# KiCad board P3.kicad_pcb
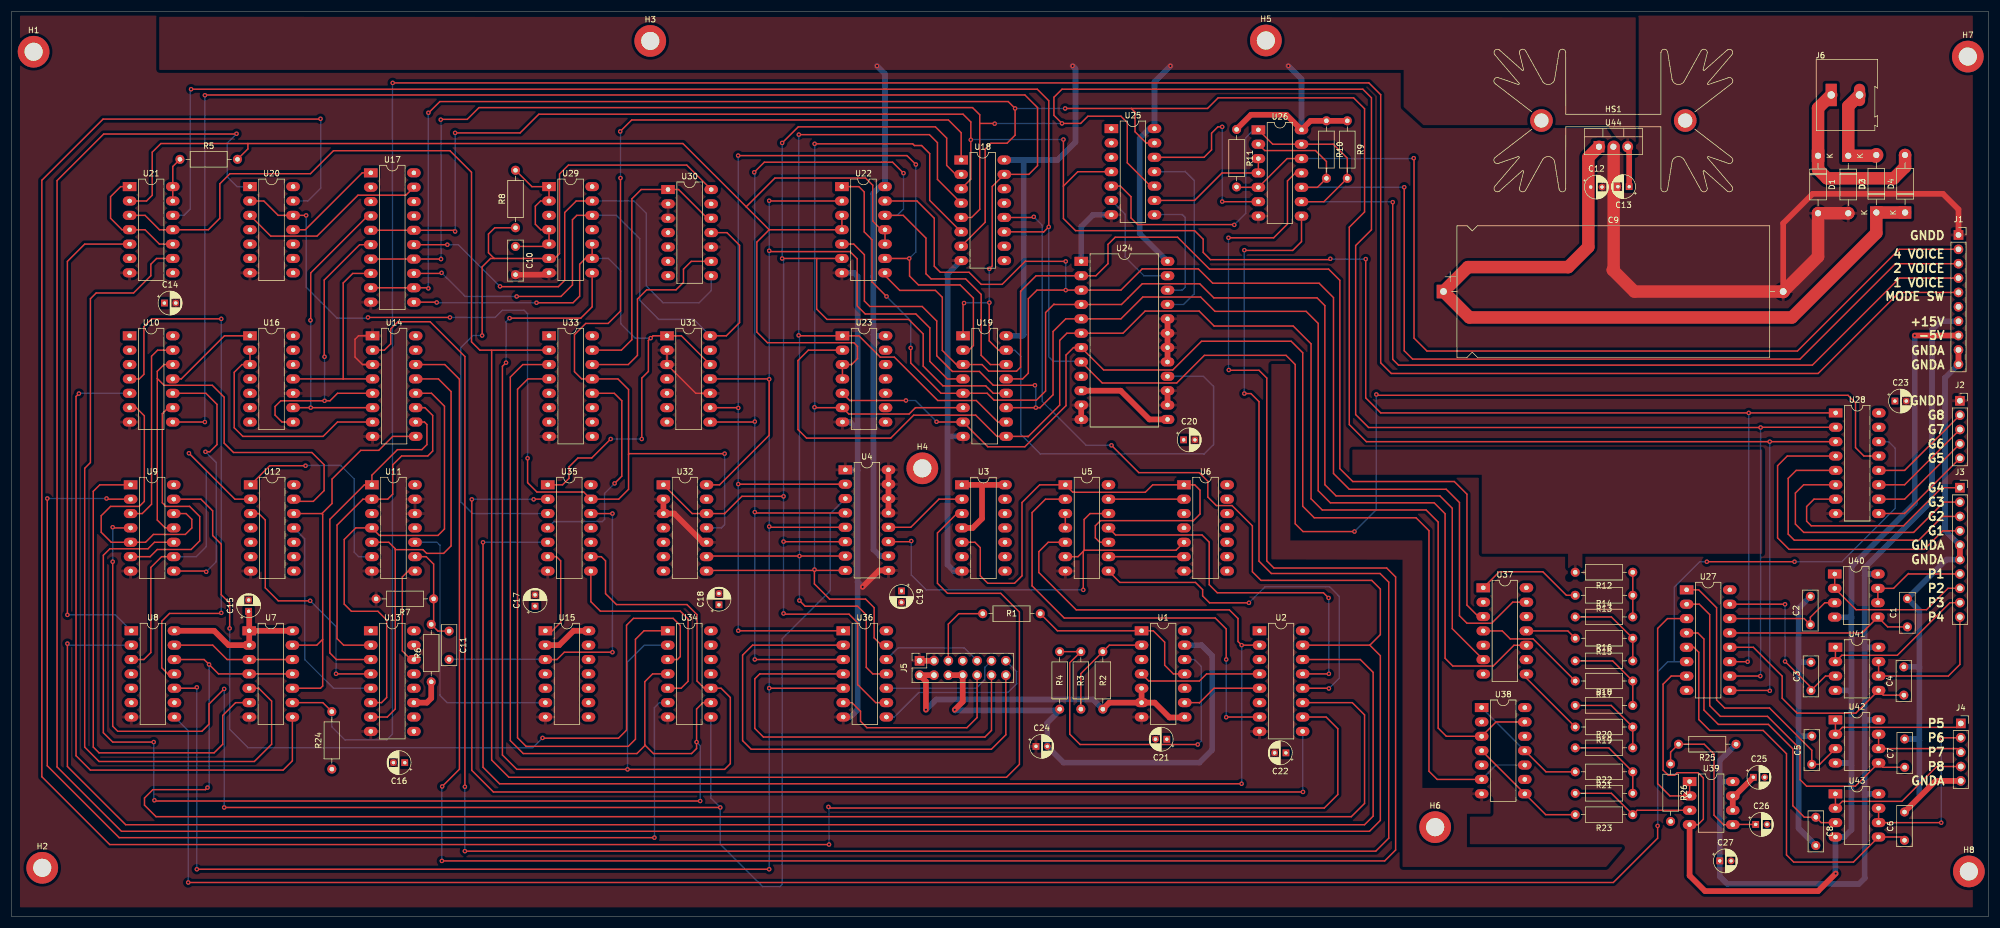
[diagram p0: board, top side]
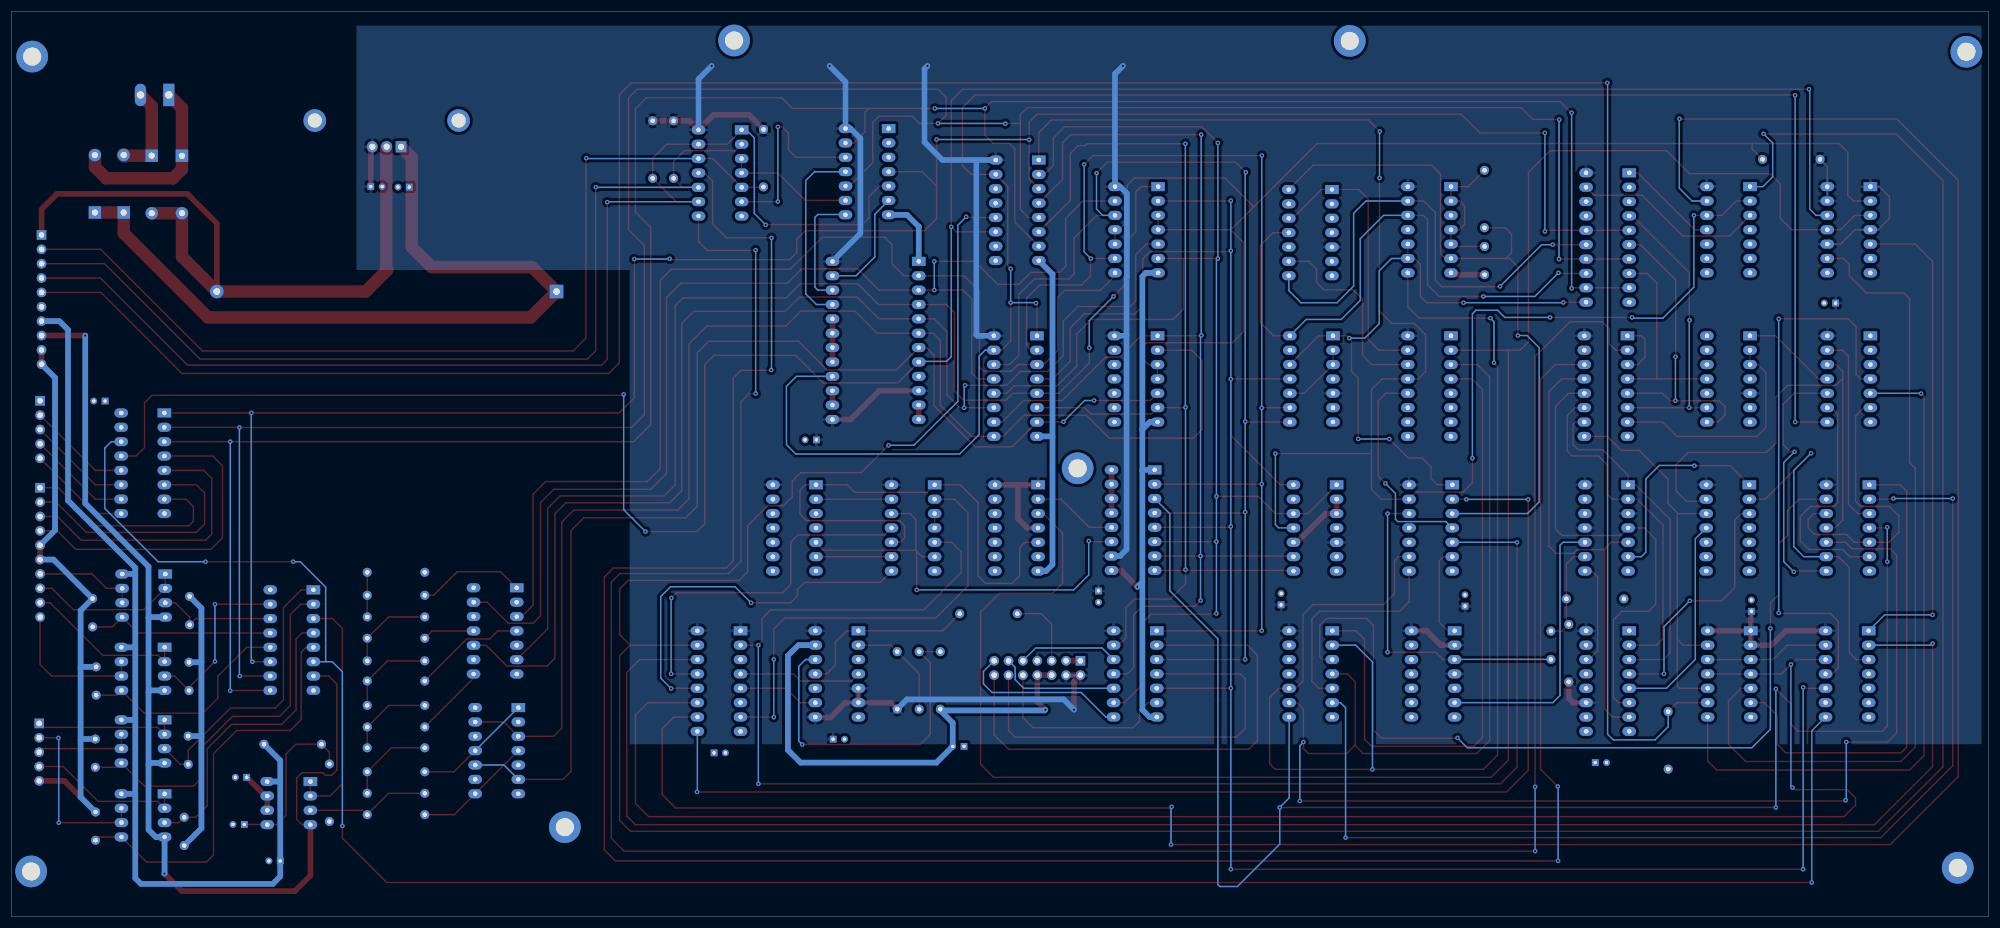
[diagram p1: board, bottom side, seen from below]

Outline 349.25 x 160.02 mm; copper layers: Top, Bottom. Coordinates in mm from the lower left corner of the outline.
Outline path: rectangle 0,160.02 349.25,0
Stack: Top 0.035mm / dielectric 1.51mm FR4 er 4.5 / Bottom 0.035mm

## Placement (name value [footprint] x y rotation side)
C1  47nF  [C_Disc_D7.0mm_W2.5mm_P5.00mm]  334.9 51.22 90 top
C2  47nF  [C_Disc_D7.0mm_W2.5mm_P5.00mm]  317.75 51.6 90 top
C3  47nF  [C_Disc_D7.0mm_W2.5mm_P5.00mm]  317.86 39.97 90 top
C4  47nF  [C_Disc_D7.0mm_W2.5mm_P5.00mm]  334.26 39.16 90 top
C5  47nF  [C_Disc_D7.0mm_W2.5mm_P5.00mm]  318.01 26.92 90 top
C6  47nF  [C_Disc_D7.0mm_W2.5mm_P5.00mm]  334.38 13.5 90 top
C7  47nF  [C_Disc_D7.0mm_W2.5mm_P5.00mm]  334.42 26.41 90 top
C8  47nF  [C_Disc_D7.0mm_W2.5mm_P5.00mm]  318.72 17.58 270 top
C9  4700uF  [CP_Axial_L55.0mm_D23.0mm_P60.00mm_Horizontal]  252.96 110.49 0 top
C10  1nF  [C_Disc_D7.0mm_W2.5mm_P5.00mm]  89.05 118.47 270 top
C11  22nF  [C_Disc_D7.0mm_W2.5mm_P5.00mm]  77.32 50.48 270 top
C12  10uF  [CP_Radial_D4.0mm_P2.00mm]  278.96 128.96 0 top
C13  10uF  [CP_Radial_D4.0mm_P2.00mm]  285.76 129.03 180 top
C14  10uF  [CP_Radial_D4.0mm_P2.00mm]  27.05 108.46 0 top
C15  10uF  [CP_Radial_D4.0mm_P2.00mm]  41.91 53.98 90 top
C16  10uF  [CP_Radial_D4.0mm_P2.00mm]  69.48 27.23 180 top
C17  10uF  [CP_Radial_D4.0mm_P2.00mm]  92.5 54.89 90 top
C18  10uF  [CP_Radial_D4.0mm_P2.00mm]  124.98 55.12 90 top
C19  10uF  [CP_Radial_D4.0mm_P2.00mm]  157.23 57.57 270 top
C20  10uF  [CP_Radial_D4.0mm_P2.00mm]  207.05 84.28 0 top
C21  10uF  [CP_Radial_D4.0mm_P2.00mm]  204.09 31.37 180 top
C22  10uF  [CP_Radial_D4.0mm_P2.00mm]  225.13 28.96 180 top
C23  10uF  [CP_Radial_D4.0mm_P2.00mm]  332.69 91.14 0 top
C24  10uF  [CP_Radial_D4.0mm_P2.00mm]  180.97 30.1 0 top
C25  10uF  [CP_Radial_D4.0mm_P2.00mm]  307.68 24.64 0 top
C26  10uF  [CP_Radial_D4.0mm_P2.00mm]  308.1 16.3 0 top
C27  10uF  [CP_Radial_D4.0mm_P2.00mm]  301.75 9.86 0 top
D1  1N4002  [D_DO-41_SOD81_P10.16mm_Horizontal]  319.12 134.49 270 top
D2  1N4002  [D_DO-41_SOD81_P10.16mm_Horizontal]  324.45 134.49 270 top
D3  1N4002  [D_DO-41_SOD81_P10.16mm_Horizontal]  329.4 124.46 90 top
D4  1N4002  [D_DO-41_SOD81_P10.16mm_Horizontal]  334.48 124.46 90 top
H1  MountingHole  [MountingHole_3.2mm_M3_DIN965_Pad]  3.94 152.87 0 top
H2  MountingHole  [MountingHole_3.2mm_M3_DIN965_Pad]  5.46 8.64 0 top
H3  MountingHole  [MountingHole_3.2mm_M3_DIN965_Pad]  112.85 154.79 0 top
H4  MountingHole  [MountingHole_3.2mm_M3_DIN965_Pad]  160.91 79.25 0 top
H5  MountingHole  [MountingHole_3.2mm_M3_DIN965_Pad]  221.59 154.86 0 top
H6  MountingHole  [MountingHole_3.2mm_M3_DIN965_Pad]  251.49 15.82 0 top
H7  MountingHole  [MountingHole_3.2mm_M3_DIN965_Pad]  345.57 152.02 0 top
H8  MountingHole  [MountingHole_3.2mm_M3_DIN965_Pad]  345.75 8 0 top
HS1  Heatsink  [Heatsink_Fischer_SK129-STS_42x25mm_2xDrill2.5mm]  282.96 140.72 0 top
J1  Conn_01x10  [PinSocket_1x10_P2.54mm_Vertical]  343.92 120.49 0 top
J2  Conn_01x05  [PinSocket_1x05_P2.54mm_Vertical]  344.17 91.19 0 top
J3  Conn_01x10  [PinSocket_1x10_P2.54mm_Vertical]  344.17 75.82 0 top
J4  Conn_01x05  [PinSocket_1x05_P2.54mm_Vertical]  344.33 34.16 0 top
J5  Conn_02x07_Counter_Clockwise  [PinSocket_2x07_P2.54mm_Vertical]  160.42 45.23 90 top
J6  Screw_Terminal_01x02  [TerminalBlock_Altech_AK300-2_P5.00mm]  321.44 145.24 0 top
R1  1k  [R_Axial_DIN0207_L6.3mm_D2.5mm_P10.16mm_Horizontal]  181.74 53.56 180 top
R2  2k7  [R_Axial_DIN0207_L6.3mm_D2.5mm_P10.16mm_Horizontal]  192.79 36.68 90 top
R3  2k7  [R_Axial_DIN0207_L6.3mm_D2.5mm_P10.16mm_Horizontal]  188.9 36.68 90 top
R4  2k7  [R_Axial_DIN0207_L6.3mm_D2.5mm_P10.16mm_Horizontal]  185.17 46.84 270 top
R5  2k7  [R_Axial_DIN0207_L6.3mm_D2.5mm_P10.16mm_Horizontal]  29.78 133.86 0 top
R6  1k  [R_Axial_DIN0207_L6.3mm_D2.5mm_P10.16mm_Horizontal]  74.17 41.5 90 top
R7  1k  [R_Axial_DIN0207_L6.3mm_D2.5mm_P10.16mm_Horizontal]  74.59 56.17 180 top
R8  1k  [R_Axial_DIN0207_L6.3mm_D2.5mm_P10.16mm_Horizontal]  89.05 121.77 90 top
R9  2k7  [R_Axial_DIN0207_L6.3mm_D2.5mm_P10.16mm_Horizontal]  235.97 140.67 270 top
R10  2k7  [R_Axial_DIN0207_L6.3mm_D2.5mm_P10.16mm_Horizontal]  232.28 140.67 270 top
R11  2k7  [R_Axial_DIN0207_L6.3mm_D2.5mm_P10.16mm_Horizontal]  216.41 139.14 270 top
R12  200k  [R_Axial_DIN0207_L6.3mm_D2.5mm_P10.16mm_Horizontal]  286.38 60.87 180 top
R13  200k  [R_Axial_DIN0207_L6.3mm_D2.5mm_P10.16mm_Horizontal]  286.38 56.8 180 top
R14  100k  [R_Axial_DIN0207_L6.3mm_D2.5mm_P10.16mm_Horizontal]  276.22 52.98 0 top
R15  200k  [R_Axial_DIN0207_L6.3mm_D2.5mm_P10.16mm_Horizontal]  286.38 49.21 180 top
R16  100k  [R_Axial_DIN0207_L6.3mm_D2.5mm_P10.16mm_Horizontal]  276.22 45.21 0 top
R17  200k  [R_Axial_DIN0207_L6.3mm_D2.5mm_P10.16mm_Horizontal]  286.38 41.66 180 top
R18  100k  [R_Axial_DIN0207_L6.3mm_D2.5mm_P10.16mm_Horizontal]  276.22 37.34 0 top
R19  200k  [R_Axial_DIN0207_L6.3mm_D2.5mm_P10.16mm_Horizontal]  286.38 33.53 180 top
R20  100k  [R_Axial_DIN0207_L6.3mm_D2.5mm_P10.16mm_Horizontal]  276.22 29.84 0 top
R21  200k  [R_Axial_DIN0207_L6.3mm_D2.5mm_P10.16mm_Horizontal]  286.38 25.6 180 top
R22  100k  [R_Axial_DIN0207_L6.3mm_D2.5mm_P10.16mm_Horizontal]  276.22 21.81 0 top
R23  200k  [R_Axial_DIN0207_L6.3mm_D2.5mm_P10.16mm_Horizontal]  286.38 18.03 180 top
R24  2k7  [R_Axial_DIN0207_L6.3mm_D2.5mm_P10.16mm_Horizontal]  56.61 26.08 90 top
R25  15k  [R_Axial_DIN0207_L6.3mm_D2.5mm_P10.16mm_Horizontal]  304.63 30.48 180 top
R26  8k2  [R_Axial_DIN0207_L6.3mm_D2.5mm_P10.16mm_Horizontal]  293.07 26.99 270 top
U1  SN75107B  [DIP-14_W7.62mm_LongPads]  199.63 50.53 0 top
U2  74LS175  [DIP-16_W7.62mm_LongPads]  220.46 50.53 0 top
U3  74LS74  [DIP-14_W7.62mm_LongPads]  167.89 76.33 0 top
U4  D2102  [DIP-16_W7.62mm_LongPads]  147.31 78.98 0 top
U5  74LS00  [DIP-14_W7.62mm_LongPads]  186.17 76.33 0 top
U6  74LS04  [DIP-14_W7.62mm_LongPads]  207.12 76.33 0 top
U7  74LS10  [DIP-14_W7.62mm_LongPads]  42.02 50.53 0 top
U8  74LS00  [DIP-14_W7.62mm_LongPads]  21.19 50.53 0 top
U9  74LS32  [DIP-14_W7.62mm_LongPads]  21.07 76.33 0 top
U10  74LS08  [DIP-14_W7.62mm_LongPads]  20.89 102.67 0 top
U11  7425  [DIP-14_W7.62mm_LongPads]  63.68 76.33 0 top
U12  74LS32  [DIP-14_W7.62mm_LongPads]  42.28 76.33 0 top
U13  74LS193  [DIP-16_W7.62mm_LongPads]  63.48 50.53 0 top
U14  74LS153  [DIP-16_W7.62mm_LongPads]  63.8 102.67 0 top
U15  74LS74  [DIP-14_W7.62mm_LongPads]  94.33 50.53 0 top
U16  74LS93  [DIP-14_W7.62mm_LongPads]  42.15 102.67 0 top
U17  74LS244  [DIP-20_W7.62mm_LongPads]  63.48 131.47 0 top
U18  74LS367  [DIP-16_W7.62mm_LongPads]  167.77 133.74 0 top
U19  74LS367  [DIP-16_W7.62mm_LongPads]  168.1 102.67 0 top
U20  74LS32  [DIP-14_W7.62mm_LongPads]  42.15 129.04 0 top
U21  74LS74  [DIP-14_W7.62mm_LongPads]  20.89 129.04 0 top
U22  74LS266  [DIP-14_W7.62mm_LongPads]  146.7 129.04 0 top
U23  74LS266  [DIP-14_W7.62mm_LongPads]  146.8 102.67 0 top
U24  6810-Memory_RAM-eti-polysynth  [DIP-24_W15.24mm_LongPads]  188.98 115.82 0 top
U25  74LS08  [DIP-14_W7.62mm_LongPads]  194.29 139.29 0 top
U26  74LS08  [DIP-14_W7.62mm_LongPads]  220.26 139.07 0 top
U27  CD4051B  [DIP-16_W7.62mm_LongPads]  295.89 57.77 0 top
U28  74LS259  [DIP-16_W7.62mm_LongPads]  322.22 89.04 0 top
U29  74LS13  [DIP-14_W7.62mm_LongPads]  94.97 129.04 0 top
U30  74LS93  [DIP-14_W7.62mm_LongPads]  115.99 128.52 0 top
U31  74LS93  [DIP-14_W7.62mm_LongPads]  115.81 102.67 0 top
U32  74LS93  [DIP-14_W7.62mm_LongPads]  115.17 76.33 0 top
U33  74LS42  [DIP-16_W7.62mm_LongPads]  94.98 102.67 0 top
U34  74LS32  [DIP-14_W7.62mm_LongPads]  115.94 50.53 0 top
U35  74LS04  [DIP-14_W7.62mm_LongPads]  94.74 76.33 0 top
U36  7404  [DIP-14_W7.62mm_LongPads]  146.94 50.53 0 top
U37  4041  [DIP-14_W7.62mm_LongPads]  259.98 58.13 0 top
U38  4041  [DIP-14_W7.62mm_LongPads]  259.7 36.96 0 top
U39  TL072  [DIP-8_W7.62mm_LongPads]  296.43 23.88 0 top
U40  TL082  [DIP-8_W7.62mm_LongPads]  322.06 60.57 0 top
U41  TL082  [DIP-8_W7.62mm_LongPads]  322.18 47.62 0 top
U42  TL082  [DIP-8_W7.62mm_LongPads]  322.18 34.79 0 top
U43  TL082  [DIP-8_W7.62mm_LongPads]  322.18 21.71 0 top
U44  L7805  [TO-220-3_Vertical]  280.42 136.08 0 top

## Library data of the parts
C1-C8 C10 C11 = -: Description: Unpolarized capacitor, small symbol
D1-D4 = -: Description: 100V 1A General Purpose Rectifier Diode, DO-41
H1-H8 = -: Description: Mounting Hole without connection
J1 J3 = -: Description: Generic connector, single row, 01x10, script generated (kicad-library-utils/schlib/autogen/connector/)
J2 J4 = -: Description: Generic connector, single row, 01x05, script generated (kicad-library-utils/schlib/autogen/connector/)
J5 = -: Description: Generic connector, double row, 02x07, odd/even pin numbering scheme (row 1 odd numbers, row 2 even numbers), script generated (kicad-library-utils/schlib/autogen/connector/)
J6 = -: Description: Generic screw terminal, single row, 01x02, script generated (kicad-library-utils/schlib/autogen/connector/)
R1-R26 = -: Description: Resistor
U2 = -: Description: 4-bit D Flip-Flop, reset
U3 U15 U21 = -: Description: Dual D Flip-flop, Set & Reset
U5 U8 = -: Description: quad 2-input NAND gate
U6 U35 = -: Description: Hex Inverter
U7 = -: Description: Triple 3-input NAND
U9 U12 U20 U34 = -: Description: Quad 2-input OR
U10 U25 U26 = -: Description: Quad And2
U13 = -: Description: Synchronous 4-bit Up/Down (2 clk) counter
U14 = -: Description: Dual Multiplexer 4 to 1
U16 U30-U32 = -: Description: Divide by 2 & 8 counter
U17 = -: Description: Octal Buffer and Line Driver With 3-State Output, active-low enables, non-inverting outputs
U18 U19 = -: Description: Hex Bus Driver 3-state outputs
U27 = -: Description: CMOS single 8-channel analog multiplexer demultiplexer, TSSOP-16/DIP-16/SOIC-16
U28 = -: Description: 8-bit addressable latch
U29 = -: Description: Dual 4-input NAND Schmitt trigger
U33 = -: Description: 4 to 10 line Decoder
U39 = -: Description: Dual Low-Noise JFET-Input Operational Amplifiers, DIP-8/SOIC-8
U40-U43 = -: Description: Dual JFET-Input Operational Amplifiers, DIP-8/SOIC-8/SSOP-8
U44 = -: Description: Positive 1.5A 35V Linear Regulator, Fixed Output 5V, TO-220/TO-263/TO-252

## Footprints (pads in the part's own frame, mm; a bottom-side part is the same pattern mirrored in y, then rotated)
C_Disc_D7.0mm_W2.5mm_P5.00mm
  round 1.6 hole 0.8: 1(0,0) 2(5,0)
CP_Axial_L55.0mm_D23.0mm_P60.00mm_Horizontal
  rect 2.4x2.4 hole 1.2: 1(0,0)
  oval 2.4x2.4 hole 1.2: 2(60,0)
CP_Radial_D4.0mm_P2.00mm
  rect 1.2x1.2 hole 0.6: 1(0,0)
  round 1.2 hole 0.6: 2(2,0)
D_DO-41_SOD81_P10.16mm_Horizontal
  rect 2.2x2.2 hole 1.1: 1(0,0)
  oval 2.2x2.2 hole 1.1: 2(10.16,0)
DIP-8_W7.62mm_LongPads
  rect 2.4x1.6 hole 0.8: 1(0,0)
  oval 2.4x1.6 hole 0.8: 2(0,-2.54) 3(0,-5.08) 4(0,-7.62) 5(7.62,-7.62) 6(7.62,-5.08) 7(7.62,-2.54) 8(7.62,0)
DIP-14_W7.62mm_LongPads
  rect 2.4x1.6 hole 0.8: 1(0,0)
  oval 2.4x1.6 hole 0.8: 2(0,-2.54) 3(0,-5.08) 4(0,-7.62) 5(0,-10.16) 6(0,-12.7) 7(0,-15.24) 8(7.62,-15.24) 9(7.62,-12.7) 10(7.62,-10.16) 11(7.62,-7.62) 12(7.62,-5.08) 13(7.62,-2.54) 14(7.62,0)
DIP-16_W7.62mm_LongPads
  rect 2.4x1.6 hole 0.8: 1(0,0)
  oval 2.4x1.6 hole 0.8: 2(0,-2.54) 3(0,-5.08) 4(0,-7.62) 5(0,-10.16) 6(0,-12.7) 7(0,-15.24) 8(0,-17.78) 9(7.62,-17.78) 10(7.62,-15.24) 11(7.62,-12.7) 12(7.62,-10.16) 13(7.62,-7.62) 14(7.62,-5.08) 15(7.62,-2.54) 16(7.62,0)
DIP-20_W7.62mm_LongPads
  rect 2.4x1.6 hole 0.8: 1(0,0)
  oval 2.4x1.6 hole 0.8: 2(0,-2.54) 3(0,-5.08) 4(0,-7.62) 5(0,-10.16) 6(0,-12.7) 7(0,-15.24) 8(0,-17.78) 9(0,-20.32) 10(0,-22.86) 11(7.62,-22.86) 12(7.62,-20.32) 13(7.62,-17.78) 14(7.62,-15.24) 15(7.62,-12.7) 16(7.62,-10.16) 17(7.62,-7.62) 18(7.62,-5.08) 19(7.62,-2.54) 20(7.62,0)
DIP-24_W15.24mm_LongPads
  rect 2.4x1.6 hole 0.8: 1(0,0)
  oval 2.4x1.6 hole 0.8: 2(0,-2.54) 3(0,-5.08) 4(0,-7.62) 5(0,-10.16) 6(0,-12.7) 7(0,-15.24) 8(0,-17.78) 9(0,-20.32) 10(0,-22.86) 11(0,-25.4) 12(0,-27.94) 13(15.24,-27.94) 14(15.24,-25.4) 15(15.24,-22.86) 16(15.24,-20.32) 17(15.24,-17.78) 18(15.24,-15.24) 19(15.24,-12.7) 20(15.24,-10.16) 21(15.24,-7.62) 22(15.24,-5.08) 23(15.24,-2.54) 24(15.24,0)
Heatsink_Fischer_SK129-STS_42x25mm_2xDrill2.5mm
  round 4 hole 2.5: 1(-12.7,0) 1(12.7,0)
MountingHole_3.2mm_M3_DIN965_Pad
  round 5.6 hole 3.2: 1(0,0)
PinSocket_1x05_P2.54mm_Vertical
  rect 1.7x1.7 hole 1: 1(0,0)
  oval 1.7x1.7 hole 1: 2(0,-2.54) 3(0,-5.08) 4(0,-7.62) 5(0,-10.16)
PinSocket_1x10_P2.54mm_Vertical
  rect 1.7x1.7 hole 1: 1(0,0)
  oval 1.7x1.7 hole 1: 2(0,-2.54) 3(0,-5.08) 4(0,-7.62) 5(0,-10.16) 6(0,-12.7) 7(0,-15.24) 8(0,-17.78) 9(0,-20.32) 10(0,-22.86)
PinSocket_2x07_P2.54mm_Vertical
  rect 1.7x1.7 hole 1: 1(0,0)
  oval 1.7x1.7 hole 1: 2(-2.54,0) 3(0,-2.54) 4(-2.54,-2.54) 5(0,-5.08) 6(-2.54,-5.08) 7(0,-7.62) 8(-2.54,-7.62) 9(0,-10.16) 10(-2.54,-10.16) 11(0,-12.7) 12(-2.54,-12.7) 13(0,-15.24) 14(-2.54,-15.24)
R_Axial_DIN0207_L6.3mm_D2.5mm_P10.16mm_Horizontal
  round 1.6 hole 0.8: 1(0,0)
  oval 1.6x1.6 hole 0.8: 2(10.16,0)
TerminalBlock_Altech_AK300-2_P5.00mm
  rect 1.98x3.96 hole 1.32: 1(0,0)
  oval 1.98x3.96 hole 1.32: 2(5,0)
TO-220-3_Vertical
  rect 1.905x2 hole 1.1: 1(0,0)
  oval 1.905x2 hole 1.1: 2(2.54,0) 3(5.08,0)

## Nets
+3.3VDAC: C25.1 U27.16 U37.14 U38.14 U39.6 U39.7
+5V: C13.1 C14.1 C15.1 C16.1 C17.1 C18.1 C19.1 C20.1 C21.1 C22.1 C23.1 J5.2 J5.4 J5.7 R2.1 R5.1 R6.1 R9.1 R10.1 R11.1 R24.1 U1.5 U1.6 U1.8 U1.14 U2.1 U2.16 U3.1 U3.4 U3.14 U4.10 U5.14 U6.14 U7.1 U7.2 U7.14 U8.14 U9.14 U10.14 U11.3 U11.11 U11.14 U12.14 U13.11 U13.16 U14.16 U15.2 U15.4 U15.14 U16.5 U17.20 U18.16 U19.16 U20.14 U21.1 U21.4 U21.10 U21.13 U21.14 U22.14 U23.14 U24.10 U24.13 U24.24 U25.14 U26.14 U28.15 U28.16 U29.14 U30.5 U31.5 U32.5 U33.16 U34.14 U35.14 U36.14 U44.3
+15V: C27.1 J1.7 R25.1 U39.8 U40.8 U41.8 U42.8 U43.8
-5V: C24.2 J1.8 J5.6 J5.8 R4.2 U1.13 U27.7 U39.4 U40.4 U41.4 U42.4 U43.4
GND: C9.2 C10.2 C12.2 C13.2 C14.2 C15.2 C16.2 C17.2 C18.2 C19.2 C20.2 C21.2 C22.2 C23.2 C24.1 D1.2 D2.2 J1.1 J2.1 J5.1 J5.3 R7.2 U1.7 U2.8 U3.7 U4.1 U4.9 U4.13 U4.14 U4.15 U4.16 U5.7 U6.7 U7.7 U8.7 U9.7 U10.7 U11.7 U11.12 U11.13 U12.7 U13.8 U14.1 U14.3 U14.8 U15.7 U16.10 U17.10 U18.8 U19.8 U20.7 U21.7 U22.7 U23.7 U24.1 U24.11 U24.12 U24.14 U24.15 U24.17 U24.18 U24.19 U24.20 U25.7 U26.7 U28.8 U29.7 U30.2 U30.3 U30.10 U31.2 U31.3 U31.10 U32.2 U32.3 U32.10 U33.8 U34.7 U35.7 U36.7 U44.2
GNDA: C1.2 C2.2 C3.2 C4.2 C5.2 C6.2 C7.2 C8.2 C25.2 C26.2 C27.2 J1.9 J1.10 J3.5 J3.6 J4.5 R12.2 R26.2 U27.8 U37.7 U38.7
/1_VOICE: J1.4 R9.2 U25.5 U26.1 U26.9 U26.13
/2_VOICE: J1.3 R10.2 U26.2 U26.10
/4_VOICE: J1.2 R11.2 U26.5 U26.12
/A0: U4.2 U19.2 U22.9 U31.9 U36.1
/A1: U4.4 U19.14 U22.12 U31.8 U36.3
/A2: U4.5 U8.10 U19.4 U22.2 U31.11 U32.14 U36.5
/A3: U4.6 U18.2 U19.12 U22.6 U32.1 U32.12 U36.9
/A4: U4.7 U18.4 U19.10 U23.1 U32.9 U36.11
/A5: U4.8 U18.6 U19.6 U23.6 U32.8 U36.13
/CK0: R8.1 U29.6 U30.14 U35.3
/CK1: U30.1 U30.12 U33.15
/CK2: U30.9 U33.14
/CLC: U2.14 U8.2
/D0: U19.3 U22.8 U24.2 U37.3
/D1: U19.13 U22.13 U24.3 U37.13
/D2: U19.5 U22.1 U24.4 U37.6
/D3: U19.11 U22.5 U24.5 U37.10
/D4: U19.9 U23.2 U24.6 U38.3 U38.13
/D5: U19.7 U23.5 U24.7 U38.6 U38.10
/F0: U17.15 U29.13 U30.8
/F1: U17.13 U29.12 U30.11 U31.14
/F2: U17.11 U29.9 U29.10 U31.1 U31.12 U35.1
/FROM_KEYBOARD: J5.5 R1.2
/G1: J3.4 U28.4
/G2: J3.3 U28.5
/G3: J3.2 U28.6
/G4: J3.1 U28.7
/G5: J2.5 U28.9
/G6: J2.4 U28.10
/G7: J2.3 U28.11
/G8: J2.2 U28.12
/IC2-D2: U2.12 U5.8
/IC2-D3: U2.13 U5.11
/IC2_11: U2.11 U7.4 U7.11 U8.12
/IC14_4: U14.4 U16.11 U17.8
/IC14_5: U14.5 U16.8 U17.6
/IC14_6: U14.6 U16.9 U17.4
/IC14_7: U14.7 U16.2 U16.3
/IC18_3: U17.5 U17.16 U18.3 U25.4 U27.11 U28.1
/IC18_5: U17.7 U17.14 U18.5 U25.10 U27.10 U28.2
/IC18_7: U17.9 U17.12 U18.7 U25.13 U27.9 U28.3
/K0: J5.14 U36.2
/K1: J5.12 U36.4
/K2: J5.10 U36.6
/K3: J5.13 U36.8
/K4: J5.11 U36.10
/K5: J5.9 U36.12
/M: U8.9 U18.1 U20.2 U20.12 U32.11 U33.13 U35.13
/MODE_SWITCH: J1.5 R24.2 U7.9
/P1: J3.7 U40.6 U40.7
/P2: J3.8 U40.1 U40.2
/P3: J3.9 U41.1 U41.2
/P4: J3.10 U41.6 U41.7
/P5: J4.1 U42.1 U42.2
/P6: J4.2 U43.6 U43.7
/P7: J4.3 U42.6 U42.7
/P8: J4.4 U43.1 U43.2
/R~{W}: U4.3 U9.4 U34.8
/SL1: U14.2 U26.8
/SL2: U14.14 U26.11
/U17_0EA: U17.1 U20.11
/U17_0EB: U17.19 U20.3
/~{ANC}: U2.10 U20.13
/~{CLC}: U2.15 U18.12 U20.1
/~{CP1}: U3.3 U21.3 U21.11 U33.2
/~{CP2}: U9.10 U33.3 U34.4 U34.9
/~{CP3}: U9.2 U34.6
/~{F2}: U2.9 U35.2
/~{KD}: U2.7 U5.2
/~{KU}: U2.2 U5.5 U35.5
/~{M}: C11.2 U15.3 U35.12
/~{TGU}: U9.11 U10.12 U12.13
/~{UC}: U9.13 U34.3
Net-(#FLG0106-pwr): C9.1 C12.1 D3.1 D4.1 U44.1
Net-(C10-Pad1): C10.1 R8.2 U29.1 U29.2 U29.4 U29.5
Net-(C11-Pad1): C11.1 R6.2 R7.1 U11.9
Net-(D1-K): D1.1 D4.2 J6.1
Net-(D2-K): D2.1 D3.2 J6.2
Net-(R12-Pad1): R12.1 R13.1 R14.2
Net-(R13-Pad2): R13.2 U37.1
Net-(R14-Pad1): R14.1 R15.1 R16.2
Net-(R15-Pad2): R15.2 U37.11
Net-(R16-Pad1): R16.1 R17.1 R18.2
Net-(R17-Pad2): R17.2 U37.4
Net-(R18-Pad1): R18.1 R19.1 R20.2
Net-(R19-Pad2): R19.2 U37.8
Net-(R20-Pad1): R20.1 R21.1 R22.2
Net-(R21-Pad2): R21.2 U38.1 U38.11
Net-(R23-Pad2): R23.2 U38.4 U38.8
Net-(U1A-+): R1.1 U1.1 U1.11
Net-(U1A--): R2.2 R3.1 U1.2
Net-(U1B-+): R3.2 R4.1 U1.12
Net-(U2-D0): U1.4 U2.4
Net-(U2-D1): U1.9 U2.5
Net-(U3A-D): U3.2 U4.12
Net-(U3A-Q): U3.5 U5.1 U5.10 U6.1
Net-(U4-Data_In): U4.11 U5.6 U5.12 U6.5
Net-(U5-Pad3): U5.3 U5.4
Net-(U5-Pad9): U5.9 U6.6
Net-(U5-Pad13): U5.13 U6.2
Net-(U7-Pad6): U7.6 U9.1
Net-(U7-Pad12): U7.3 U7.12 U8.13
Net-(U10-Pad4): U8.11 U10.4
Net-(U10-Pad5): U7.8 U10.5
Net-(U10-Pad6): U9.5 U9.12 U10.6
Net-(U10-Pad9): U9.6 U10.9
Net-(U10-Pad10): U9.8 U10.10
Net-(U10-Pad13): U9.3 U10.13
Net-(U11-Pad6): U11.6 U12.1
Net-(U12-Pad2): U8.3 U9.9 U12.2
Net-(U13-CLR): U11.8 U13.14
Net-(U13-DOWN): U12.3 U13.4
Net-(U13-QA): U11.1 U13.3 U14.10
Net-(U13-QB): U11.2 U13.2 U14.11
Net-(U13-QC): U11.4 U13.6 U14.12
Net-(U13-QD): U11.5 U13.7 U14.13
Net-(U13-UP): U12.11 U13.5
Net-(U14-Zb): U7.10 U7.13 U12.12 U14.9
Net-(U15A-~{Q}): U11.10 U15.6
Net-(U15A-~{R}): U15.1 U35.6
Net-(U16-CP1..3): U10.11 U16.1
Net-(U18-O5b): U18.11 U21.12 U24.8 U28.13
Net-(U18-OEb): U10.8 U18.15 U19.1 U19.15 U24.16
Net-(U21A-D): R5.2 U21.2 U22.3 U22.4 U22.10 U22.11 U23.3 U23.4
Net-(U21A-Q): U8.1 U21.5
Net-(U21B-Q): U7.5 U21.9
Net-(U24-A0): U24.23 U25.6
Net-(U24-A1): U24.22 U25.8
Net-(U24-A2): U24.21 U25.11
Net-(U25-Pad9): U25.9 U26.3 U26.4
Net-(U25-Pad12): U25.12 U26.6
Net-(U27-INH): U8.8 U27.6 U28.14
Net-(U27-X0): C1.1 U27.13 U40.5
Net-(U27-X1): C2.1 U27.14 U40.3
Net-(U27-X2): C3.1 U27.15 U41.3
Net-(U27-X3): C4.1 U27.12 U41.5
Net-(U27-X4): C5.1 U27.1 U42.3
Net-(U27-X5): C6.1 U27.5 U43.5
Net-(U27-X6): C7.1 U27.2 U42.5
Net-(U27-X7): C8.1 U27.4 U43.3
Net-(U27-X): U27.3 U39.1 U39.2
Net-(U29-Pad8): U29.8 U34.2 U34.10 U35.9
Net-(U33-3): U33.4 U34.1
Net-(U33-A3): U33.12 U35.4
Net-(U34-Pad5): U34.5 U35.8
Net-(U39A-+): R22.1 R23.1 U39.3
Net-(U39B-+): C26.1 R25.2 R26.1 U39.5

Pads without a net: H1 1; H2 1; H3 1; H4 1; H5 1; H6 1; H7 1; H8 1; HS1 1; J1 6; U1 3 10; U2 3 6; U3 6 8 9 10 11 12 13; U6 3 4 8 9 10 11 12 13; U8 4 5 6; U10 1 2 3; U12 4 5 6 8 9 10; U13 1 9 10 12 13 15; U14 15; U15 5 8 9 10 11 12 13; U16 4 6 7 12 13 14; U17 2 3 17 18; U18 9 10 13 14; U20 4 5 6 8 9 10; U21 6 8; U23 8 9 10 11 12 13; U24 9; U25 1 2 3; U29 3 11; U30 4 6 7 13; U31 4 6 7 13; U32 4 6 7 13; U33 1 5 6 7 9 10 11; U34 11 12 13; U35 10 11; U37 2 5 9 12; U38 2 5 9 12

## Via types
v1: diameter 0.8, hole 0.4, Top to Bottom, 175 vias
